# KiCad board poly_kb_wave_right2.kicad_pcb (continued)
## Routing (per net, layer and track width the routed paths; a pad name or vN(x,y) marks a point on that pad's centre or on a via; arc(x,y) is an arc through that point) (continued)
ENC_A: length 56.6
  In1.Cu w0.229: v3(24.6,79.48) 24.5,79.48 20.16,83.81 20.16,88.38 17.16,91.38 17.16,104.19 19.14,106.17 v3(19.14,106.83)
  Bottom w0.229: SW1.A 26.77,60.66 25.31,60.66 23.13,62.84 23.13,66.79 SW1.A 25.2,68.86 25.2,78.87 v3(24.6,79.48) ; U10.37 18.8,104.88 19.14,105.22 v3(19.14,106.83)
ENC_B: length 55.4
  In1.Cu w0.229: v3(16.18,106.29) 15.6,105.72 15.6,88.49 14.85,87.74 14.85,78.97 20.03,73.8 25.75,73.8 v2(25.77,73.81)
  Bottom w0.229: v3(16.18,106.29) 16.18,106.79 16.51,107.13 17.19,107.13 17.83,106.48 U10.41
  Bottom w0.3: SW1.B 27.1,64.25 27.1,68.11 25.72,69.49 25.72,73.77 v2(25.77,73.81)
I2C_SCL: length 75.7
  Top w0.229: v3(26.92,106.4) 28.19,105.13 28.19,104.97 28.63,104.53 28.63,86.1 ; 28.63,86.1 28.58,86.05 23.91,86.05 23.79,85.93 23.78,85.93 23,85.16 17.9,85.16 17.12,85.94 v2(17.12,86.76) 17.05,86.83 J39.18 ; 28.63,86.1 28.63,83.58 28.12,83.06 ; 28.12,83.06 28.63,83.57 ; 28.12,83.06 25.14,80.08 24.12,80.08 20.52,76.48 v2(20.36,76.48) 14.23,76.48 v2(14.09,76.34)
  In2.Cu w0.229: J38.3 28.41,66.27 27.2,67.48 25.39,71.39 20.36,76.41 v2(20.36,76.48)
  Bottom w0.229: v2(17.12,86.76) 17.12,86.08 R3.2 ; v3(26.92,106.4) 26.59,106.08 U10.3
  Bottom w0.254: J37.9 13.83,76.69 v2(14.09,76.34)
I2C_SDA: length 78.7
  Top w0.229: v2(25.51,82.55) v2(20.53,77.57) 20,77.05 13.82,77.05 v2(13.24,76.47) ; J39.19 J39.20 18.05,85.95 18.4,85.6 22.8,85.6 23.63,86.43 26.41,86.43 v2(26.65,86.67) 27.74,86.67 28.25,87.19 28.25,104.37 v3(26.05,106.57)
  In2.Cu w0.229: J38.4 32.19,65.18 32.19,71.34 28.22,75.31 22.78,75.31 v2(20.53,77.57)
  Bottom w0.229: v2(18.05,86.66) 18.05,85.91 R4.2 ; U10.2 25.96,106.48 v3(26.05,106.57) ; v2(25.51,82.55) 26.65,83.69 v2(26.65,86.67)
  Bottom w0.254: v2(13.24,76.47) 13.19,76.97 J37.10
LED_ARR_START: length 167.6
  Top w0.3: v2(131.27,119.94) 131.89,120.56 156.6,120.56 157.45,119.7 163.6,119.7 164.66,120.76 167.26,120.76 168.8,119.22 168.8,118.5 167.63,117.32 164.38,117.32
  In1.Cu w0.3: v2(131.27,119.94) 129.22,117.88 129.22,106.84 v2(128.79,106.41)
  Bottom w0.229: U10.4 27.09,105.68 28.25,106.84 36.24,106.84 38.71,104.37 73.48,104.37 75.96,106.85 93.07,106.85 95.39,109.17 109.25,109.17 112,106.41 v2(128.79,106.41)
RESET: length 1161.9
  Top w0.3: 62.33,114.14 44.25,114.14 43.28,115.1 43.28,116.68 43.97,117.37 v2(44.29,117.37) ; 62.33,114.14 62.33,116.68 63.02,117.37 v2(63.34,117.37) ; 62.33,114.14 74.77,114.14 77.15,116.52 81.38,116.52 ; 138.53,57.62 138.53,57.33 ; 138.53,57.62 138.53,56.99 ; 138.53,57.62 138.53,59.53 139.22,60.22 v2(139.54,60.22) ; 138.53,76.67 138.53,76.04 ; 138.53,76.67 138.53,78.58 139.22,79.27 v2(139.54,79.27) ; 138.53,76.67 138.53,76.38 ; 138.53,76.04 144.32,76.04 148.56,71.79 151.05,71.79 ; 138.53,76.04 129.92,76.04 127.54,78.42 119.48,78.42 ; 81.38,97.47 73.89,97.47 71.51,95.09 62.33,95.09 ; 81.38,97.47 90.56,97.47 92.94,99.85 100.43,99.85 ; 81.38,97.47 81.38,98.1 ; 62.33,76.04 73.18,76.04 75.56,78.42 81.38,78.42 ; 62.33,76.04 43.9,76.04 43.28,76.66 43.28,78.58 43.97,79.27 v2(44.29,79.27) ; 62.33,76.04 62.33,76.67 ; 162.34,115.1 162.34,117 163.04,117.69 v2(163.35,117.69) ; 162.34,115.1 162.34,114.46 ; 162.34,115.1 162.34,114.81 ; 100.43,81.43 100.43,81.14 ; 100.43,81.43 100.43,83.34 101.12,84.03 v2(101.44,84.03) ; 100.43,81.43 100.43,80.8 ; 100.43,61.75 93.61,61.75 91.23,59.37 81.38,59.37 ; 100.43,61.75 100.43,64.29 101.12,64.98 v2(101.44,64.98) ; 100.43,61.75 108.31,61.75 110.69,59.37 119.48,59.37 ; 69.49,33.65 69.51,33.36 ; 69.49,33.65 69.54,33.02 ; 69.49,33.65 69.32,35.55 69.95,36.3 v2(70.26,36.33) ; 45.95,29.91 46.1,29.29 ; 45.95,29.91 46.02,29.63 ; 45.95,29.91 45.5,31.76 46.01,32.6 v2(46.32,32.67) ; 46.1,29.29 38.81,27.54 31.79,25.75 25.27,23.38 25.27,23.38 24.28,23.38 23.52,25.44 23.94,26.33 v2(24.23,26.43) ; 46.1,29.29 53.75,31.13 62.08,32.37 69.54,33.02 ; v2(139.54,117.37) 139.22,117.37 138.53,116.68 138.53,114.77 ; 138.53,114.77 138.53,114.48 ; 138.53,114.77 138.53,114.14 ; 162.34,76.38 162.34,77 ; 162.34,76.38 162,76.04 157.59,76.04 153.35,71.79 151.05,71.79 ; 162.34,76.38 162.34,77 ; 162.34,77 162.34,78.58 163.04,79.27 v2(163.35,79.27) 163.35,79.49 163.78,79.92 171.23,79.92 ; 119.48,59.37 127.36,59.37 129.74,56.99 138.53,56.99 ; 119.48,59.37 119.48,61.91 120.17,62.6 v2(120.49,62.6) ; v3(33.35,95.09) 33.39,95.04 v3(33.39,84.08) ; 138.53,56.99 162.34,56.99 ; 119.48,98.1 119.48,100.01 120.17,100.7 v2(120.49,100.7) ; 119.48,98.1 119.48,97.47 ; 119.48,98.1 119.48,97.81 ; v2(63.34,60.22) 63.02,60.22 62.33,59.53 62.33,57.62 ; 119.48,97.47 129.1,97.47 131.49,95.09 138.53,95.09 ; 119.48,97.47 111.99,97.47 109.61,99.85 100.43,99.85 ; 110.69,40.32 110.69,31.82 107.17,28.31 93.3,28.31 92.3,27.31 92.3,21 v2(92.8,20.5) 94.48,18.83 v2(94.78,18.83) ; 110.69,40.32 108.31,42.7 100.43,42.7 ; 110.69,40.32 119.48,40.32 ; 100.43,42.7 100.43,43.33 ; 100.43,42.7 92.6,42.7 83.46,33.56 75.74,33.56 69.54,33.02 ; 138.53,95.09 151.62,95.09 ; 138.53,95.09 138.53,95.72 ; 151.62,95.09 151.62,89.71 v2(151.69,89.64) ; 151.62,95.09 162.34,95.09 ; 157.58,38.57 157.58,38.28 ; 157.58,38.57 157.58,37.94 ; 157.58,38.57 157.58,40.48 158.27,41.17 v2(158.59,41.17) ; 43.28,95.09 62.33,95.09 ; 43.28,95.09 43.28,94.25 v2(43.29,94.23) ; 43.28,95.09 43.28,95.72 ; 62.33,95.09 62.33,95.72 ; 62.33,57.62 62.33,56.99 ; 62.33,57.62 62.33,57.33 ; 151.05,71.79 v2(151.05,71.41) ; 81.38,78.42 81.38,79.05 ; 81.38,78.42 92.1,78.42 94.49,80.8 100.43,80.8 ; 162.34,114.46 171.11,114.46 172.25,113.32 172.25,95.16 ; 162.34,114.46 151.3,114.46 ; 172.25,95.16 172.18,95.09 162.34,95.09 ; 172.25,95.16 172.25,79.92 171.23,79.92 ; 162.34,56.99 162.34,57.62 ; 162.34,56.99 174.21,56.99 174.41,57.19 ; 81.38,116.52 90.56,116.52 92.63,118.58 100.12,118.58 100.43,118.9 ; 81.38,116.52 81.38,117.15 ; 100.43,80.8 108.31,80.8 110.69,78.42 119.48,78.42 ; 100.43,43.33 100.43,45.24 101.12,45.93 v2(101.44,45.93) ; 100.43,43.33 100.43,43.04 ; 162.34,95.09 162.34,95.72 ; 40.43,51.01 33.43,49.33 ; 40.43,51.01 39.83,53.47 40.34,54.31 v2(40.65,54.38) ; 40.43,51.01 48.08,52.84 61.99,56.99 62.33,56.99 ; 171.23,79.92 172.99,79.92 176.43,76.47 176.43,58.96 DBG3.5 177.1,54.49 177.1,43.12 171.92,37.94 165.19,37.94 ; v2(82.39,100.7) 82.07,100.7 81.38,100.01 81.38,98.1 ; 138.53,95.72 138.53,97.63 139.22,98.32 v2(139.54,98.32) ; 138.53,95.72 138.53,95.43 ; 119.48,117.15 119.48,116.86 ; 119.48,117.15 119.48,116.52 ; 119.48,117.15 119.48,119.06 120.17,119.75 v2(120.49,119.75) ; 81.38,59.37 81.38,60 ; 81.38,59.37 74.64,59.37 72.26,56.99 62.33,56.99 ; 100.43,119.53 100.43,121.44 101.12,122.13 v2(101.44,122.13) ; 100.43,119.53 100.43,118.9 ; 100.43,119.53 100.43,119.24 ; 81.38,79.05 81.38,78.76 ; 81.38,79.05 81.38,80.96 82.07,81.65 v2(82.39,81.65) ; 81.38,98.1 81.38,97.81 ; 62.33,95.72 62.33,95.43 ; 62.33,95.72 62.33,97.63 63.02,98.32 v2(63.34,98.32) ; 119.48,79.05 119.48,78.76 ; 119.48,79.05 119.48,78.42 ; 119.48,79.05 119.48,80.96 120.17,81.65 v2(120.49,81.65) ; v2(101.44,103.08) 101.12,103.08 100.43,102.39 100.43,99.85 ; v2(82.39,119.75) 82.07,119.75 81.38,119.06 81.38,117.15 ; 157.58,37.94 138.53,37.94 ; 157.58,37.94 165.19,37.94 ; 119.48,40.95 119.48,40.66 ; 119.48,40.95 119.48,42.86 120.17,43.55 v2(120.49,43.55) ; 119.48,40.95 119.48,40.32 ; v2(163.35,60.22) 163.04,60.22 162.34,59.53 162.34,57.62 ; 162.34,57.62 162.34,57.33 ; J39.14 15.05,86.14 17.92,83.28 v3(26.95,83.28) ; 138.53,37.94 128.72,37.94 126.34,40.32 119.48,40.32 ; 138.53,37.94 138.53,38.57 ; 119.48,116.52 111.52,116.52 109.14,118.9 100.43,118.9 ; 119.48,116.52 128.66,116.52 131.04,114.14 138.53,114.14 ; 165.19,37.94 165.46,37.94 ; v2(44.29,98.32) 43.97,98.32 43.28,97.63 43.28,95.72 ; 162.34,95.72 162.34,95.43 ; 162.34,95.72 162.34,97.63 163.04,98.32 v2(163.35,98.32) ; 138.53,38.57 138.53,38.28 ; 138.53,38.57 138.53,40.48 139.22,41.17 v2(139.54,41.17) ; 151.3,114.46 151.3,106.06 v2(151.35,106) ; 151.3,114.46 146.73,114.46 146.41,114.14 138.53,114.14 ; 43.28,95.72 43.28,95.43 ; v2(63.34,79.27) 63.02,79.27 62.33,78.58 62.33,76.67 ; 81.38,60 81.38,59.71 ; 81.38,60 81.38,61.91 82.07,62.6 v2(82.39,62.6) ; 81.38,117.15 81.38,116.86 ; 33.43,49.33 23.68,46.4 17.22,44.05 17.2,44.03 16.17,44.03 15.41,46.1 15.83,46.98 v2(16.12,47.09) ; 33.43,49.33 33.14,49.26 ; 62.33,76.67 62.33,76.38
  In2.Cu w0.3: v3(33.35,95.09) 34.2,94.23 v2(43.29,94.23)
  Bottom w0.229: v3(33.35,95.09) 27.15,101.28 27.15,102.09 26.77,102.48 U10.12
  Bottom w0.3: v2(70.26,36.33) 70.6,36.04 J32.9 ; v2(46.32,32.67) 46.7,32.43 J31.9 ; v2(94.78,18.83) 95.17,18.45 102.05,18.45 103.21,19.61 103.21,21.71 103.15,21.77 ; v2(92.8,20.5) 92.65,20.5 91.85,21.31 91.85,21.81 ; v3(33.39,84.08) 27.75,84.08 v3(26.95,83.28) ; v2(16.12,47.09) 16.53,46.9 J29.9 ; v2(120.49,119.75) 120.8,119.43 J5.9 ; v2(151.69,89.64) 151.22,89.17 U5.10 ; J20.9 139.85,78.95 v2(139.54,79.27) ; U4.10 151.17,105.82 v2(151.35,106) ; v2(101.44,122.13) 101.75,121.81 J4.9 ; J8.9 44.6,98 v2(44.29,98.32) ; J22.9 41.03,54.15 v2(40.65,54.38) ; J30.9 24.64,26.25 v2(24.23,26.43) ; v2(101.44,45.93) 101.75,45.61 J33.9 ; J11.9 101.75,102.76 v2(101.44,103.08) ; J7.9 163.67,117.38 v2(163.35,117.69) ; v2(101.44,84.03) 101.75,83.71 J18.9 ; v2(163.35,98.32) 163.67,98 J14.9 ; v2(139.54,98.32) 139.85,98 J13.9 ; v2(163.35,60.22) 163.67,59.9 J28.9 ; 120.8,98.51 120.8,100.38 v2(120.49,100.7) ; J24.9 82.7,62.28 v2(82.39,62.6) ; v2(44.29,79.27) 44.6,78.95 J15.9 ; J9.9 63.65,98 v2(63.34,98.32) ; J21.9 163.67,78.95 v2(163.35,79.27) ; v2(82.39,119.75) 82.7,119.43 J3.9 ; v2(120.49,81.65) 120.8,81.33 J19.9 ; J27.9 139.85,59.9 v2(139.54,60.22) ; v2(63.34,79.27) 63.65,78.95 J16.9 ; J1.9 44.6,117.05 v2(44.29,117.37) ; v2(82.39,100.7) 82.7,100.38 82.7,98.51 ; 120.8,41.36 120.8,43.23 v2(120.49,43.55) ; J6.9 139.85,117.05 v2(139.54,117.37) ; J25.9 101.75,64.66 v2(101.44,64.98) ; J17.9 82.7,81.33 v2(82.39,81.65) ; J36.9 158.9,40.85 v2(158.59,41.17) ; 151.3,67.46 151.65,67.46 152.64,68.44 152.64,69.47 151.05,71.05 v2(151.05,71.41) ; v2(120.49,62.6) 120.8,62.28 J26.9 ; J2.9 63.65,117.05 v2(63.34,117.37) ; v2(139.54,41.17) 139.85,40.85 J35.9 ; J23.9 63.65,59.9 v2(63.34,60.22)
Row1: length 186.6
  Top w0.229: v3(32.78,113.33) 31.39,114.72 26.71,114.72 23,111 v3(18.47,111) ; v3(17.63,107.44) 17.41,107.23 17.41,101.5 v3(17.82,101.09)
  Top w0.3: v2(96.53,117.64) 92.71,117.64 v2(87.89,112.82) 87.5,112.43 v2(82.72,112.43)
  In1.Cu w0.229: v3(18.47,111) 17.63,110.16 v3(17.63,107.44)
  Bottom w0.229: U10.29 17.94,101.68 17.82,101.56 v3(17.82,101.09)
  Bottom w0.3: SW_K_3.1 87.89,114.32 v2(87.89,112.82) ; v2(82.72,112.43) 82.69,112.45 82.02,112.45 79.22,115.25 73.41,115.25 70.46,112.29 SW_K_2.1 69.19,112.11 67.16,110.07 62.97,110.07 60.17,112.87 53.37,112.87 52.79,112.29 SW_K_1.1 47.92,110.07 43.92,110.07 41.12,112.87 38.2,112.87 37.74,113.33 v3(32.78,113.33) ; SW_K_7.1 169.21,112.44 167.17,110.4 162.98,110.4 160.19,113.19 157.26,113.19 156.76,113.7 146.85,113.7 145.44,112.29 SW_K_6.1 145.39,112.11 143.36,110.07 139.17,110.07 136.37,112.87 133.45,112.87 132.94,113.37 127.65,113.37 SW_K_5.1 126.34,114.49 124.31,112.45 120.12,112.45 117.32,115.25 114.4,115.25 113.89,115.76 111.44,115.76 110.14,117.06 SW_K_4.1 105.07,114.83 101.07,114.83 98.26,117.64 v2(96.53,117.64)
Row2: length 186.9
  Top w0.3: v2(60.55,93.45) 52.65,93.45 v2(52.25,93.06)
  In1.Cu w0.229: v3(20.11,89.44) 20.66,88.88 26.25,88.88 v2(26.69,88.44)
  Bottom w0.229: v3(20.11,89.44) 20.11,89.6 17.23,92.48 17.23,101.86 17.45,102.08 U10.30
  Bottom w0.3: v2(26.69,88.44) 32.59,94.34 37.67,94.34 38.2,93.82 41.12,93.82 43.92,91.02 48.11,91.02 50.14,93.06 SW_K_8.1 52.07,93.24 v2(52.25,93.06) ; SW_K_14.1 169.21,93.06 167.17,91.02 162.98,91.02 160.19,93.82 157.26,93.82 156.76,94.32 146.9,94.32 145.82,93.24 SW_K_13.1 145.39,93.06 143.36,91.02 139.17,91.02 136.37,93.82 133.45,93.82 132.94,94.32 127.65,94.32 SW_K_12.1 126.34,95.44 124.31,93.4 120.12,93.4 117.32,96.2 114.4,96.2 113.89,96.71 108.6,96.71 SW_K_11.1 107.29,97.82 105.26,95.78 101.07,95.78 98.27,98.58 92.57,98.58 89.61,95.63 SW_K_10.1 88.24,95.44 86.21,93.4 82.02,93.4 79.22,96.2 74.38,96.2 71.42,93.24 SW_K_9.1 69.19,93.09 67.15,91.05 62.95,91.05 v2(60.55,93.45)
Row3: length 199.3
  Top w0.229: v3(24.78,88.24) 24.78,88.18 25.52,87.44 v3(27.48,87.44)
  Top w0.3: v2(139.1,72.58) 140.07,72.58 140.6,72.05 v2(143.42,72.05) 147.41,72.05 148.8,70.65 v2(149.39,70.65)
  In2.Cu w0.3: v2(32.57,87.44) 34.26,87.44 37.2,84.5 37.2,78.69 v2(41.67,74.22)
  Bottom w0.229: U10.31 17.16,102.48 16.85,102.17 16.85,92.32 19.58,89.59 19.58,89.17 20.22,88.53 24.49,88.53 v3(24.78,88.24) ; v2(32.57,87.44) v3(27.48,87.44)
  Bottom w0.3: v2(143.42,72.05) 143.42,72.22 SW_K_20.1 ; v2(41.67,74.22) 43.92,71.97 48.11,71.97 50.14,74.01 SW_K_15.1 50.72,74.77 60.17,74.77 62.97,71.97 67.16,71.97 69.19,74.01 SW_K_16.1 71.07,74.19 74.03,77.15 79.22,77.15 82.02,74.35 86.21,74.35 88.24,76.39 SW_K_17.1 90.05,76.58 93.01,79.53 98.27,79.53 101.07,76.73 105.26,76.73 107.29,78.77 SW_K_18.1 108.6,77.66 109.13,77.66 113.89,77.66 114.4,77.15 117.32,77.15 120.12,74.35 124.31,74.35 126.34,76.39 SW_K_19.1 128.47,76.58 129.77,75.27 132.94,75.27 133.45,74.77 136.37,74.77 138.56,72.58 v2(139.1,72.58) ; 149.52,70.65 149.39,70.78 149.39,71.92 149.9,72.43 153.07,72.43 153.07,72.5 155.34,74.77 160.19,74.77 162.98,71.97 167.17,71.97 169.21,74.01 SW_K_21.1
Row4: length 252.8
  Top w0.229: SW1.S1 9.87,57.04 11.08,55.83 11.08,53.88 13.77,51.19 16.85,51.19 18.28,52.61 18.28,54.18 18.58,54.47 24.74,57.03 26.18,57.05 27.51,56.62 28.81,56.62 29.66,57.47 SW1.S1
  In2.Cu w0.229: SW1.S1 8.84,63.83 8.84,66.72 18.83,76.72 18.83,86.94 17.97,87.8 v3(17.97,89.74) ; SW1.S1 29.66,49.73 v2(31.68,47.7)
  Bottom w0.229: v3(17.97,89.74) 17.86,89.86 17.86,90.44 16.41,91.88 16.41,102.36 16.93,102.88 U10.32 ; v2(31.68,47.7) 31.68,47.82
  Bottom w0.3: SW_K_28.1 169.21,54.96 167.17,52.92 162.98,52.92 160.19,55.72 157.26,55.72 156.76,56.22 146.9,56.22 145.82,55.14 SW_K_27.1 145.39,54.96 143.36,52.92 139.17,52.92 136.37,55.72 133.45,55.72 132.94,56.22 130.31,56.22 129.01,57.53 SW_K_26.1 126.34,57.34 124.31,55.3 120.12,55.3 117.32,58.1 114.4,58.1 113.89,58.61 110.72,58.61 108.6,58.6 SW_K_25.1 107.29,59.72 105.26,57.68 101.07,57.68 98.27,60.48 92.95,60.48 89.99,57.53 SW_K_24.1 88.24,57.34 86.21,55.3 82.02,55.3 79.22,58.1 74.38,58.1 72.85,56.58 70.62,56.58 SW_K_23.1 69.19,54.96 67.16,52.92 62.97,52.92 60.17,55.72 53.71,55.72 51.15,53.16 48.43,52.35 SW_K_22.1 47.57,50.63 46.07,48.18 41.99,47.2 38.62,49.27 35.78,48.58 35.17,48.96 32.08,48.22 31.68,47.82
Row5: length 285.5
  Top w0.3: v2(78.55,31.6) 82.9,31.6 v2(91.88,40.58)
  In2.Cu w0.229: v2(22.41,41.97) 22.79,42.36 22.79,49.16 21.08,50.86 19.61,50.86 17.54,52.94 17.54,62.02 13.53,66.04 12.78,67.85 12.78,69.81 19.41,76.44 19.41,89.44 18.62,90.23 v3(17.36,90.23)
  Bottom w0.229: v3(17.36,90.23) 16,91.59 16,102.53 16.77,103.29 17.36,103.29 17.75,103.68 U10.34
  Bottom w0.3: SW_K_29.1 23.42,44.15 v2(22.41,41.97) 22.21,41.54 18.27,40.11 14.69,41.78 11.94,40.78 11.29,41.08 9.24,40.34 8.75,38.89 15.21,21.67 16.85,20.04 18.32,20.04 19.4,20.43 20.05,20.12 22.8,21.12 26.38,19.45 30.32,20.89 31.53,23.5 SW_K_30.1 31.47,24.46 33.85,26.84 39.15,26.84 40.84,27.25 41.45,26.87 44.29,27.55 47.66,25.49 51.74,26.47 53.24,28.92 SW_K_31.1 54.14,30.7 55.24,31.05 60.88,31.5 64.04,31.78 64.59,31.31 67.5,31.57 70.53,29.03 74.7,29.39 76.55,31.6 SW_K_32.1 76.72,31.6 v2(78.55,31.6) ; SW_K_36.1 164.44,35.91 162.41,33.87 158.22,33.87 155.42,36.67 152.5,36.67 151.99,37.17 146.47,37.17 SW_K_35.1 145.39,35.91 143.36,33.87 139.17,33.87 136.37,36.67 133.45,36.67 132.94,37.17 130.35,37.17 129.05,38.48 SW_K_34.1 126.34,38.29 124.31,36.25 120.12,36.25 117.32,39.05 114.4,39.05 113.89,39.56 108.77,39.56 107.47,40.86 SW_K_33.1 107.27,40.86 105.05,38.63 101.07,38.63 98.37,41.33 92.63,41.33 v2(91.88,40.58)
SCLK_RAW: length 223.7
  In1.Cu w0.3: v2(31.1,121.98) 33.11,123.99 v2(39.41,123.99) v2(58.46,123.99) v2(72.43,123.99) 84.03,123.99 87.71,120.31 92.06,120.31 97.53,125.77 109.64,125.77 111.16,124.24 v2(111.82,124.24) 127.93,124.24 130.21,121.96 v2(130.85,121.96) 154.34,121.96 154.98,121.32 v2(156.63,121.32) 170.35,121.32 172.76,118.91 172.76,66.46 DBG3.2
  Bottom w0.3: U25.2 v2(156.63,121.32) ; v2(31.1,121.98) 31.1,121.08 ; v2(72.43,123.99) 72.68,124.24 U17.2 ; v2(111.82,124.24) 112.33,123.73 U21.2 ; U13.2 58.13,121.32 58.46,121.65 v2(58.46,123.99) ; v2(92.53,120.78) 91.19,120.78 90.59,120.18 90.59,119.74 90.14,119.29 U19.2 ; v2(130.85,121.96) 131.1,121.7 U23.2 ; U15.2 38.95,121.32 39.41,121.78 v2(39.41,123.99)
SDIN_RAW: length 219.9
  In1.Cu w0.3: DBG3.3 172.12,64.55 172.12,118.27 170.09,120.31 161.58,120.31 161.33,120.05 157.9,120.05 157.39,120.56 154.72,120.56 153.96,121.32 v2(153.33,121.32) v2(145.45,121.32) 129.83,121.32 127.67,123.48 v2(126.53,123.48) 111.27,123.48 v2(111.2,123.41) 109.48,125.13 97.83,125.13 92.37,119.67 87.62,119.67 83.94,123.35 v2(78.02,123.35) v2(67.6,123.35) v2(52.24,123.35) 33.94,123.35 v2(32.6,122.01)
  Bottom w0.3: U16.2 77.13,124.24 v2(78.02,123.35) ; U20.2 126.78,123.73 v2(126.53,123.48) ; U22.2 145.84,121.7 v2(145.45,121.32) ; v2(52.24,123.35) 52.24,121.65 51.91,121.32 U14.2 ; U18.2 111.22,125.26 111.22,125.26 111.22,123.43 v2(111.2,123.41) ; R2.2 32.6,121.03 v2(32.6,122.01) ; v2(67.6,123.35) 67.6,121.67 67.95,121.32 U12.2 ; U24.2 v2(153.33,121.32)
SERIAL_COM1: length 54.4
  Top w0.229: v3(29.13,103.31) 29.02,103.2 29.02,83.17 18.65,72.8 v3(13.05,72.8)
  Bottom w0.229: v3(13.05,72.8) 13.05,72.8 USB2.8 5.79,72.8 5.57,72.58 5.57,72.01 5.79,71.8 USB2.6 ; v3(29.13,103.31) 28.1,103.31 26.55,104.86 25.21,104.86 U10.6
SERIAL_COM2: length 53.4
  Top w0.229: v3(11.66,72.27) 18.92,72.27 29.51,82.85 v3(29.51,99.75)
  Bottom w0.229: 8.14,72.3 8.14,71.74 7.7,71.3 USB2.5 ; 8.14,72.3 11.63,72.3 v3(11.66,72.27) ; 8.14,72.3 USB2.7 ; v3(29.51,99.75) 27.61,101.64 27.61,103.25 26.71,104.16 26.71,104.17 26.42,104.45 26.42,104.45 26.39,104.48 U10.7
SR_CLOCK: length 333.1
  Top w0.3: DBG3.6 167.55,47.53 150.47,47.53 v2(150.45,47.55)
  In1.Cu w0.229: v3(16.73,106.03) 15.98,105.29 15.98,88.34 15.23,87.59 15.23,84.47 23.52,76.19 29.54,76.19 33.02,72.7 33.02,66.16 v3(38.78,60.41)
  In1.Cu w0.3: 151.73,69.73 151.3,69.29 151.3,63.25 150.45,62.41 150.45,46.72 150.25,46.52 150.25,41.16 149.71,40.61 149.71,38.96 149.14,38.39 v2(149.14,23.66) ; 151.73,69.73 153.22,68.24 v2(153.25,68.24) ; 151.73,69.73 154.46,72.45 154.46,86.16 152.82,87.8 v2(152.67,87.8) 150.91,89.56 150.91,100.56 152,101.64 v2(152,105.25)
  In2.Cu w0.3: 102.5,21.16 91.4,21.16 ; 102.5,21.16 102.5,20.2 v2(102.55,20.16) ; 102.5,21.16 102.51,21.15 106.49,21.15 107.22,21.88 147.36,21.88 v2(149.14,23.66) ; 91.4,21.16 84.85,21.16 81.6,17.91 63.3,17.91 58.4,22.81 58.4,39.78 51.83,46.35 51.83,56.08 47.5,60.41 v3(38.78,60.41) ; 91.4,21.16 91.4,20.59 v2(91.64,20.36)
  Bottom w0.229: U10.39 17.08,105.68 v3(16.73,106.03)
  Bottom w0.3: v2(153.25,68.24) 151.97,66.96 151.3,66.96 ; v2(152,105.25) 152.01,105.25 152.01,104.03 151.94,103.96 151.3,103.96 ; 102.65,21.77 102.65,20.26 v2(102.55,20.16) ; 91.35,21.81 91.35,21.1 91.64,20.82 v2(91.64,20.36) ; v2(152.67,87.8) 152.58,87.7 151.35,87.7
SR_DATA: length 332.5
  In1.Cu w0.229: v2(38,63.44) 34.1,67.33 34.1,73.16 30.09,77.16 23.93,77.16 19.23,81.86 19.23,86.59 16.78,89.05 16.78,104.85 v3(16.9,104.97)
  In1.Cu w0.3: DBG3.7 176.44,53.88 176.44,102.14 v2(175.17,103.41)
  In2.Cu w0.3: v2(38,63.44) 38,59.94 38.54,59.41 47.08,59.41 50.84,55.64 50.84,46.33 57.53,39.64 57.53,22.47 62.94,17.06 103.79,17.06 107.15,20.41 160,20.41 176.55,36.97 176.55,49.96 DBG3.7
  Bottom w0.229: U10.38 17.21,105.28 v3(16.9,104.97)
  Bottom w0.3: v2(175.17,103.41) 174.54,104.05 156.38,104.05 154.78,102.46 151.3,102.46
SR_LATCH: length 356.2
  Top w0.3: v2(149.65,46.39) 150.1,46.85 171.94,46.85 DBG3.8
  In1.Cu w0.229: v3(16.72,106.64) 16.82,106.64 17.22,106.24 17.22,105.83 16.93,105.54 16.78,105.54 16.37,105.13 16.37,88.02 15.62,87.27 15.62,84.62 23.59,76.64 29.99,76.64 33.5,73.13 33.5,66.91 v3(39.1,61.3)
  In1.Cu w0.3: v2(152.65,106.66) 151.95,107.35 150.5,107.35 150.05,106.91 150.05,105.7 148.73,104.38 148.73,102.11 150.28,100.56 150.28,89.33 152.8,86.8 v2(152.95,86.8) 154,85.75 154,72.85 v2(152.15,71) 148.73,67.58 148.73,64.93 150,63.66 150,49.45 149.65,49.1 v2(149.65,46.39) 149.65,41.44 149.14,40.93 149.14,39.15 148.5,38.52 v2(148.5,24.17)
  In2.Cu w0.3: 96.75,21.61 84.41,21.61 81.4,18.6 63.7,18.6 59.1,23.2 59.1,40.1 52.6,46.6 52.6,56.5 47.8,61.3 v3(39.1,61.3) ; 96.75,21.61 106.3,21.61 106.3,21.6 107.05,22.35 107.05,22.36 146.69,22.36 v2(148.5,24.17) ; 96.75,21.61 96.65,21.71 v2(96.65,22)
  Bottom w0.229: v3(16.72,106.64) 17.05,106.64 17.61,106.08 U10.40
  Bottom w0.3: v2(152.95,86.8) 152.55,87.2 151.35,87.2 ; 96.65,19.75 v2(96.65,22) ; 102.15,21.77 102.15,20.62 101.29,19.75 95.3,19.75 ; 90.85,21.81 90.85,20.26 91.36,19.75 96.47,19.75 ; 151.3,103.46 152.08,103.46 152.65,104.03 v2(152.65,106.66) ; 151.3,66.46 152.35,66.46 153.85,67.95 153.85,69.3 v2(152.15,71)
TB_INT: length 49.1
  Top w0.229: J38.2 31.33,70.83 v3(31.33,77.84)
  In1.Cu w0.229: v3(31.33,77.84) 23.99,77.84 19.73,82.1 19.73,86.91 v3(17.36,89.28)
  Bottom w0.229: U10.35 17.6,104.08 17.41,103.89 16.83,103.89 15.58,102.65 15.58,91.03 17.33,89.28 v3(17.36,89.28)
VSYS: length 39
  Top w0.3: U1.1 11.72,113.79 v2(12.35,113.16) ; v2(12.95,117.81) 11.65,117.81
  Top w0.6: C10.1 7.78,105.13 9.44,105.13 U2.4 ; v1(7.75,108.95) 4.78,108.95 F1.2 4.4,111.16 9.3,116.06 U1.4 9.8,116.06 C4.1 11.72,117.74 ; 7.75,105.45 v1(7.75,106.7)
  Bottom w0.3: 16.7,113.2 16.7,109.41 R8.1 ; 16.7,113.2 16.7,115.91 14.8,117.81 v2(12.95,117.81) ; 16.7,113.2 16.65,113.16 v2(12.35,113.16)
  Bottom w0.6: v1(7.75,108.95) v1(7.75,106.7)
Net-(C8-Pad2): length 7.8
  Bottom w0.229: Y1.3 25.3,92.61 24.41,91.72 C8.2 22.32,91.72 21.24,92.81 R19.1
Net-(D1-K): length 3.2
  Top w0.5: v1(9.95,120.75) 11.34,120.75 R16.2
  Bottom w0.5: D1.1 10.47,121.27 v1(9.95,120.75)
Net-(D1_1-A): length 2.8
  Bottom w0.3: D1_1.2 36.29,112.54 SW_K_1.2
Net-(D1_2-A): length 4.4
  Bottom w0.3: SW_K_2.2 55.31,109.72 D1_2.2
Net-(D1_3-A): length 3
  Bottom w0.3: SW_K_3.2 74.42,112.11 D1_3.2
Net-(D1_4-A): length 3.6
  Bottom w0.3: D1_4.2 93.48,114.48 SW_K_4.2
Net-(D1_5-A): length 2.8
  Bottom w0.3: SW_K_5.2 112.49,114.92 112.5,114.93
Net-(D1_6-A): length 2.8
  Bottom w0.3: SW_K_6.2 131.54,112.54 131.55,112.54
Net-(D1_7-A): length 3
  Bottom w0.3: D1_7.2 155.36,113.03 SW_K_7.2
Net-(D1_8-A): length 2.8
  Bottom w0.3: D1_8.2 36.29,93.49 SW_K_8.2
Net-(D1_9-A): length 4.2
  Bottom w0.3: SW_K_9.2 55.32,90.68 D1_9.2
Net-(D1_10-A): length 4.3
  Bottom w0.3: 74.39,93.09 74.39,88.77 D1_10.2
Net-(D1_11-A): length 4.4
  Bottom w0.3: D1_11.2 93.4,95.43 SW_K_11.2
Net-(D1_12-A): length 2.8
  Bottom w0.3: 112.5,95.88 112.49,95.87 112.49,93.09
Net-(D1_13-A): length 2.8
  Bottom w0.3: SW_K_13.2 131.54,93.49 131.55,93.49
Net-(D1_14-A): length 2.9
  Bottom w0.3: SW_K_14.2 155.36,93.6 D1_14.2
Net-(D1_15-A): length 2.8
  Bottom w0.3: SW_K_15.2 36.29,74.44 D1_15.2
Net-(D1_16-A): length 4.3
  Bottom w0.3: SW_K_16.2 55.32,71.63 D1_16.2
Net-(D1_17-A): length 4.5
  Bottom w0.3: D1_17.2 74.39,74.04
Net-(D1_18-A): length 4.6
  Bottom w0.3: SW_K_18.2 93.48,76.38 D1_18.2
Net-(D1_19-A): length 2.8
  Bottom w0.3: 112.49,74.04 112.49,76.82 112.5,76.83
Net-(D1_20-A): length 2.8
  Bottom w0.3: SW_K_20.2 131.54,74.44 131.55,74.44
Net-(D1_21-A): length 3.1
  Bottom w0.3: D1_21.2 155.36,71.65 SW_K_21.2
Net-(D1_22-A): length 2.8
  Bottom w0.3: SW_K_22.2 34,47.82 D1_22.2
Net-(D1_23-A): length 3.8
  Bottom w0.3: D1_23.2 55.32,52.58 SW_K_23.2
Net-(D1_24-A): length 3.1
  Bottom w0.3: SW_K_24.2 D1_24.2
Net-(D1_25-A): length 3.9
  Bottom w0.3: D1_25.2 93.43,57.35 SW_K_25.2
Net-(D1_26-A): length 2.8
  Bottom w0.3: SW_K_26.2 112.49,57.77 112.5,57.78
Net-(D1_27-A): length 2.8
  Bottom w0.3: 131.55,55.39 131.54,55.39 SW_K_27.2
Net-(D1_28-A): length 3
  Bottom w0.3: D1_28.2 155.36,55.5 SW_K_28.2 ; 155.36,55.39 155.36,55.39
Net-(D1_29-A): length 2.8
  Bottom w0.3: D1_29.2 SW_K_29.2
Net-(D1_30-A): length 2.8
  Bottom w0.3: D1_30.2 SW_K_30.2
Net-(D1_31-A): length 2.8
  Bottom w0.3: SW_K_31.2 39.67,26.11 D1_31.2
Net-(D1_32-A): length 2.8
  Bottom w0.3: D1_32.2 62.72,30.82 SW_K_32.2
Net-(D1_33-A): length 5
  Bottom w0.3: D1_33.2 90.2,39.38 91.27,38.32 SW_K_33.2
Net-(D1_34-A): length 2.8
  Bottom w0.3: SW_K_34.2 112.49,38.72 112.5,38.73
